# Altium PCB PCB1.PcbDoc
Units mil, origin at the board's own origin, x right, y up, seen from the top; angles counter-clockwise.
Board outline 3530 x 2610 mil, 2 copper layers (Top Layer, Bottom Layer); 18 components, 35 nets, 108 pads, 0 vias.
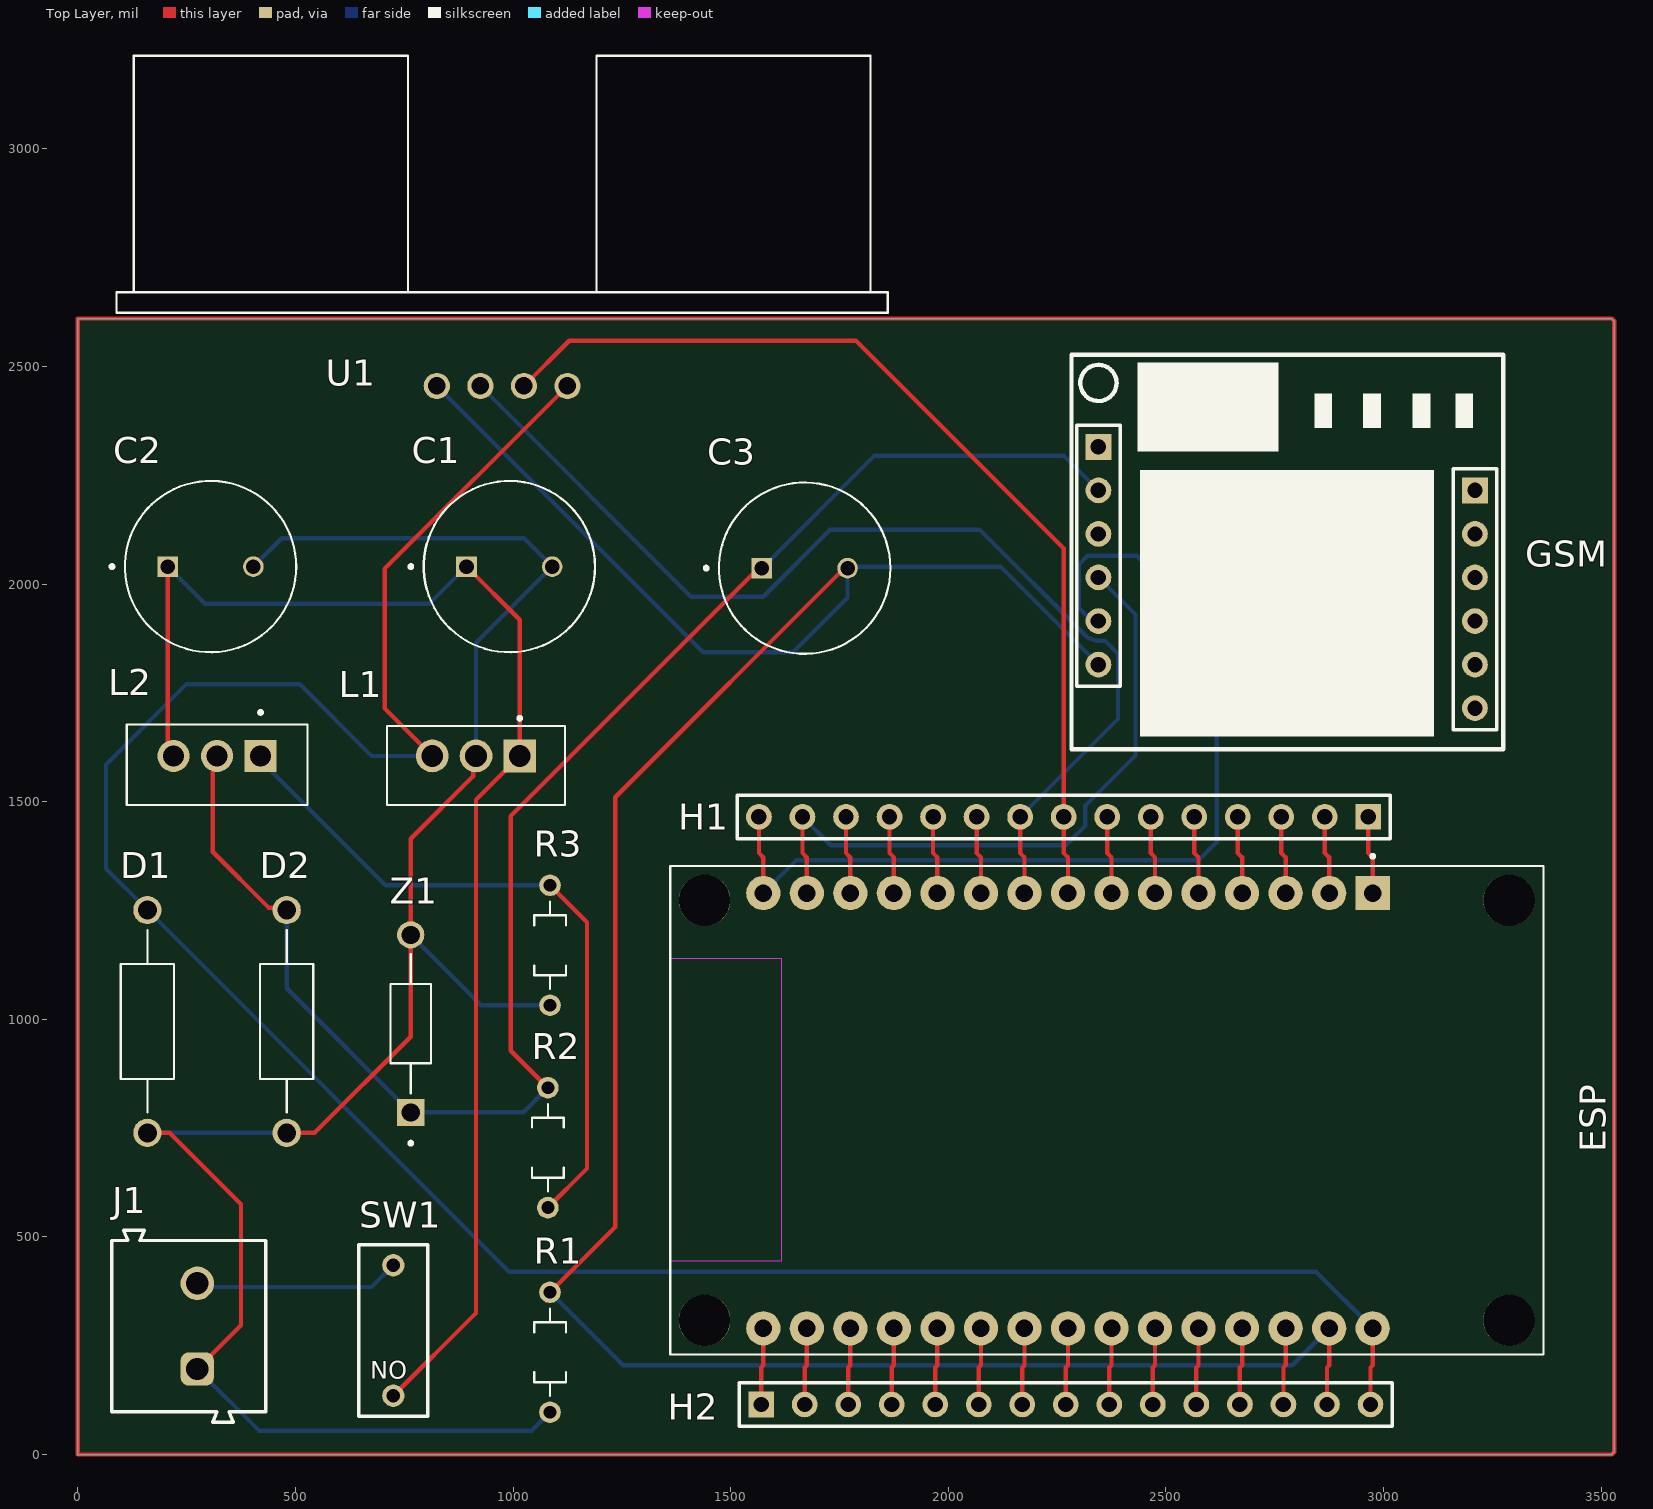
[diagram p0: Top Layer view]
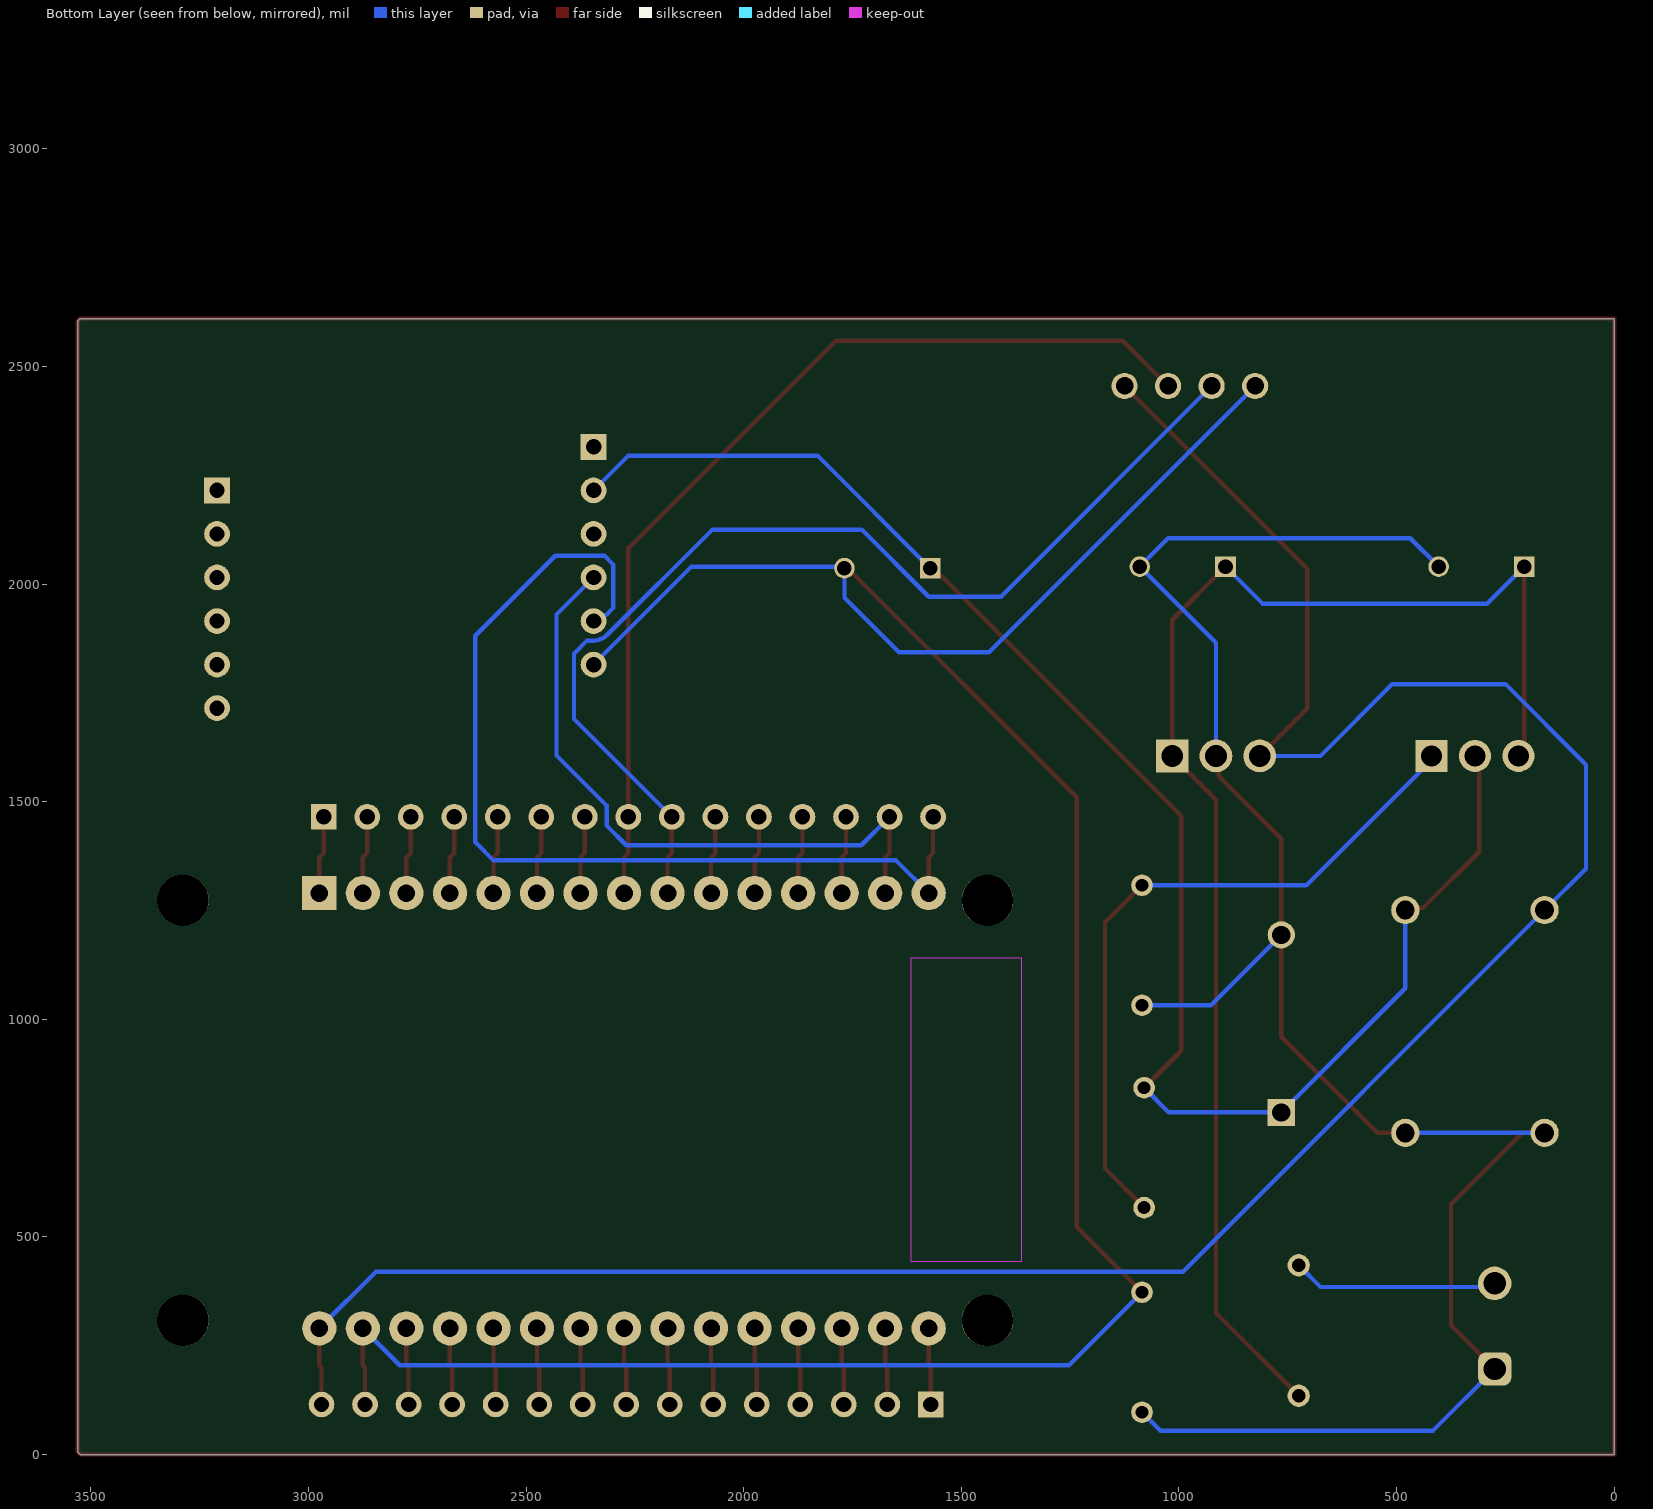
[diagram p1: Bottom Layer view, seen from below]
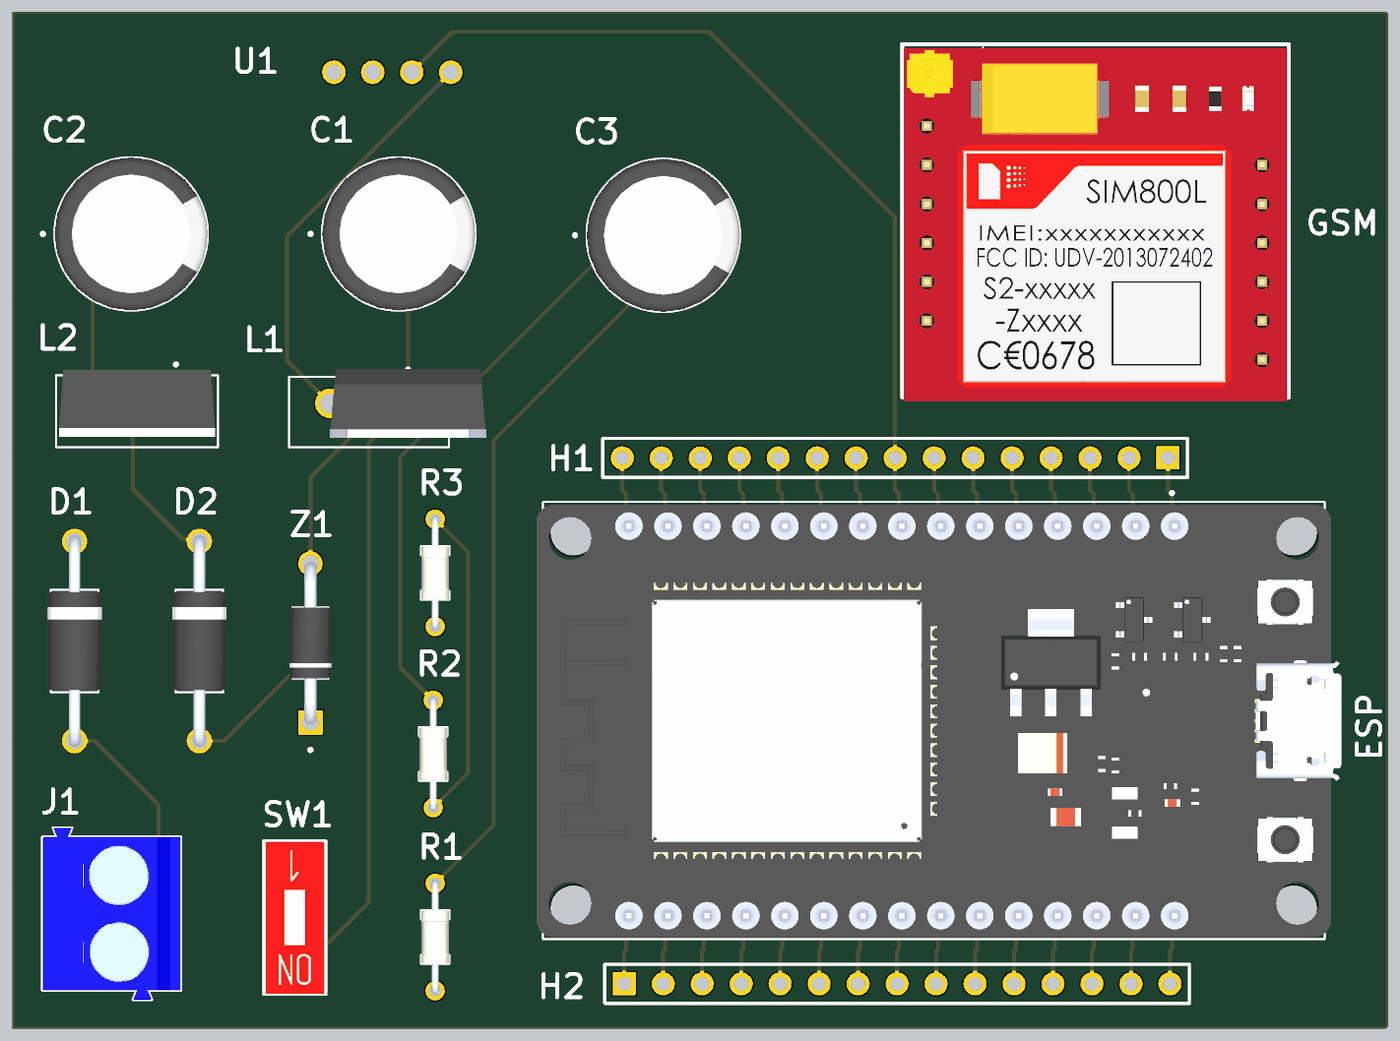
[diagram p2: 3D render of the assembled board from above, using the file's embedded part models]

## Layer stack, top to bottom
Top Solder: solder mask 0.4, Solder Resist, Dk 3.5
Top Layer: signal copper 1.4
Dielectric 1: dielectric 12.6, FR-4, Dk 4.8
Bottom Layer: signal copper 1.4
Bottom Solder: solder mask 0.4, Solder Resist, Dk 3.5

## Board outline
0,0 3524.14,0 3530,5.86 3530,2604.14 3524.14,2610 0,2610

## Design rules (kind name [scope] priority, off if disabled: settings)
Clearance [All] p1: gap=10 ignorepadtopadclearanceinfootprint=FALSE
PolygonConnect [All] p1: connectstyle=Relief reliefconductorwidth=10 reliefentries=4 polygonreliefangle="90 Angle" airgapwidth=10
RoutingVias [All] p1: holewidth=28 width=50 viastyle="Through Hole" minholewidth=28 minwidth=50 maxholewidth=28 maxwidth=50
SolderMaskExpansion [All] p1: expansion=4 istentingtop=FALSE
SupplyNets "Schematic Supply Nets_1" [InNet('GND')] p1: voltage=0.000
SupplyNets "Schematic Supply Nets" [InNet('DGND')] p2: voltage=0.000
Width [All] p1: maxlimit=10 minlimit=10 preferedwidth=10
30 further rules are at their usual default settings.

## Components (designator, comment, footprint, x,y, rotation, side; value= is the part's Value field where it differs from the comment)
C1 "1000u" CAPPRD500W60D1000H2000 991.57,2040 r0 top
C2 "1000u" CAPPRD500W60D1000H2000 305,2040 r0 top
C3 "1200u" CAPPRD500W60D1000H2000 1670.14,2036.44 r0 top
D1 "P6KE6.8CA" DIOAD1300W80L670D310 160,995 r90 top
D2 "P6KE6.8CA" DIOAD1300W80L670D310 480,995 r90 top
ESP "ESP32-DEVKIT-V1" MODULE_ESP32_DEVKIT_V1 2364.17,790 r270 top
GSM "Sim800L" Sim800L 2282,2516 r0 top
H1 "Header 15" HDR1X15 2965,1465 r180 top
H2 "Header 15" HDR1X15 1570,115 r0 top
J1 "691101710002" 691101710002 255,295 r90 top
L1 "L7805CV" TO255P1040X460X1968-3 1015.39,1605 r180 top
L2 "LM317T" TO254P1054X470X1955-3 320,1605 r180 top
R1 "1K" RESAD700W45L350D185 1085,235 r90 top
R2 "240" RESAD700W45L350D185 1080,705 r90 top
R3 "600" RESAD700W45L350D185 1085,1170 r90 top
SW1 "418117170901" 418117170901 725,285 r180 top
U1 "HC-SR04" XCVR_HC-SR04 975,2455 r180 top
Z1 "BV=4.3" DIOAD1036W78L463D272 765,990 r90 top

## Footprints (in the part's own frame and the unit in brackets; to place one, negate y for a bottom-side part, rotate by r counter-clockwise, add the part's x,y. Pads: shape width x height; smd on the part's side, far side on the other; paste and mask are expansions set on the pad)
418117170901 [mm] "2.54 mm compact THT with flat actuator, 1p"
  round 1.3 hole 0.8: 1(0,-3.81) 2(0,3.81)
  silkscreen extent -2.02,-5 2.02,5, body extent -1.92,-4.95 1.92,4.95, height 5.75
691101710002 [mm] "5,00mm - modular - blue - Horizontal entry with pressure clamp - 12,6mm height - 02p"
  rrect50% 1.95x1.95 hole 1.3: 1(-2.5,-0.5)
  round 1.95 hole 1.3: 2(2.5,-0.5)
  silkscreen extent -5.6,-4.5 5.6,4.5, body extent -5.6,-4.5 5.6,4.5, height 12.65
CAPPRD500W60D1000H2000 [mm]
  round 1.2 hole 0.85: N(2.5,0)
  rect 1.2x1.2 hole 0.85: P(-2.5,0)
  silkscreen extent -5.85,-5 5,5, body extent -5,-5 5,5, height 20
DIOAD1036W78L463D272 [mm]
  rect 1.59x1.59 / inner round 1.59 / far side rect 1.59x1.59 hole 1.06: 1(-5.18,0)
  round 1.59 hole 1.06: 2(5.18,0)
  silkscreen extent -7.07,-1.19 4.07,1.19, body extent -5.29,-1.36 5.29,1.36, height 2.72
DIOAD1300W80L670D310 [mm]
  round 1.65 hole 1.1 mask+0.05: 1(-6.5,0) 2(6.5,0)
  silkscreen extent -5.32,-1.55 5.32,1.55, body extent -6.88,-1.77 6.88,1.77, height 3.53
HDR1X15 [mm] "Connector; Header; 15 Position"
  rect 1.5x1.5 hole 0.9: 1(0,0)
  round 1.5 hole 0.9: 2(2.54,0) 3(5.08,0) 4(7.62,0) 5(10.16,0) 6(12.7,0) 7(15.24,0) 8(17.78,0) 9(20.32,0) 10(22.86,0) 11(25.4,0) 12(27.94,0) 13(30.48,0) 14(33.02,0) 15(35.56,0)
  silkscreen extent -1.27,-1.27 36.83,1.27
MODULE_ESP32_DEVKIT_V1 [mm]
  rect 2x2 / inner round 2 / far side rect 2x2 hole 1.02: 1(-12.7,15.515)
  round 2 hole 1.02: 2(-12.7,12.975) 3(-12.7,10.435) 4(-12.7,7.895) 5(-12.7,5.355) 6(-12.7,2.815) 7(-12.7,0.275) 8(-12.7,-2.265) 9(-12.7,-4.805) 10(-12.7,-7.345) 11(-12.7,-9.885) 12(-12.7,-12.425) 13(-12.7,-14.965) 14(-12.7,-17.505) 15(-12.7,-20.045) 16(12.7,-20.045) 17(12.7,-17.505) 18(12.7,-14.965) 19(12.7,-12.425) 20(12.7,-9.885) 21(12.7,-7.345) 22(12.7,-4.805) 23(12.7,-2.265) 24(12.7,0.275) 25(12.7,2.815) 26(12.7,5.355) 27(12.7,7.895) 28(12.7,10.435) 29(12.7,12.975) 30(12.7,15.515)
  round 3 hole 3 unplated: ""(-12.28,23.475) ""(-12.28,-23.475) ""(12.23,23.475) ""(12.23,-23.475)
  Keep-Out Layer region: 8.78,-25.475 -8.91,-25.475 -8.91,-18.985 8.78,-18.985
  Keep-Out Layer region: 8.78,-25.475 -8.91,-25.475 -8.91,-18.985 8.78,-18.985
  silkscreen extent -14.95,-25.47 14.23,25.47, body extent -14.1,-25.9 14.1,26.55, height 7.05
RESAD700W45L350D185 [mm]
  round 1.258 hole 0.75: 1(-3.5,0) 2(3.5,0)
  silkscreen extent -2.55,-0.93 2.55,0.93, body extent -3.72,-0.92 3.72,0.92, height 1.84
Sim800L [mm]
  rect 1.5x1.5 hole 0.9: 1(1.6,-5.105) 7(23.571,-7.645)
  round 1.5 hole 0.9: 2(1.6,-7.645) 3(1.6,-10.185) 4(1.6,-12.725) 5(1.6,-15.265) 6(1.6,-17.805) 8(23.571,-10.185) 9(23.571,-12.725) 10(23.571,-15.265) 11(23.571,-17.805) 12(23.571,-20.345)
  silkscreen extent 0.03,-22.76 25.22,0.28, body extent 0.12,-23 25.12,0.14, height 10.1
TO254P1054X470X1955-3 [mm]
  rect 1.86x1.86 / inner round 1.86 / far side rect 1.86x1.86 hole 1.24: 1(-2.54,0)
  round 1.86 hole 1.24: 2(0,0) 3(2.54,0)
  silkscreen extent -5.27,-2.64 5.27,2.86, body extent -5.08,-2.17 5.08,2.18, height 20.4
TO255P1040X460X1968-3 [mm]
  rect 1.91x1.91 / inner round 1.91 / far side rect 1.91x1.91 hole 1.27: 1(0,0)
  round 1.91 hole 1.27: 2(2.55,0) 3(5.1,0)
  silkscreen extent -2.65,-2.29 7.75,2.86, body extent -5.1,-2.25 5.1,2.25, height 19.68
XCVR_HC-SR04 [mm]
  round 1.53 hole 1.02: 1(-3.81,0) 2(-1.27,0) 3(1.27,0) 4(3.81,0)
  silkscreen extent -22.5,-19.27 22.5,-4.27

## Part data
C1 C2 C3: library part EEUFR1E102, "1000F 25V Aluminum Electrolytic Capacitors Radial, Can 10000 Hrs @ 105C", Package="RADIAL-2 Panasonic", Availability="In Stock", Check_prices=https://www.snapeda.com/parts/EEU-FR1E102/Panasonic/view-part/630528/?ref=eda, MF=Panasonic, MP=EEU-FR1E102, Price=None, Purchase-URL=https://pricing.snapeda.com/search/part/EEU-FR1E102/?ref=eda, SnapEDA_Link=https://www.snapeda.com/parts/EEU-FR1E102/Panasonic/view-part/630528/?ref=snap
D1 D2: "600W, 6.8V, 5%, Bidirectional, TVS", Package="DO-15 Taiwan Semiconductor", Check_prices=https://www.snapeda.com/parts/P6KE6.8CA/Taiwan+Semiconductor/view-part/?ref=eda, MF="Taiwan Semiconductor", MP=P6KE6.8CA, SnapEDA_Link=https://www.snapeda.com/parts/P6KE6.8CA/Taiwan+Semiconductor/view-part/?ref=snap
ESP: "Dual core, Wi-Fi: 2.4 GHz up to 150 Mbits/s,BLE (Bluetooth Low Energy) and legacy Bluetooth, 32 bits, Up to 240 MHz", Package=None, Check_prices=https://www.snapeda.com/parts/ESP32-DEVKIT-V1/Do+it/view-part/?ref=eda, MF="Do it", MP=ESP32-DEVKIT-V1, SnapEDA_Link=https://www.snapeda.com/parts/ESP32-DEVKIT-V1/Do+it/view-part/?ref=snap
H1 H2: "Header, 15-Pin", LatestRevisionDate=17-Jul-2002, LatestRevisionNote="Re-released for DXP Platform.", Publisher="Altium Limited"
J1: "WR-TBL Series 101 Horizontal Entry Modular, THT, pitch 5mm, 2p", Manufacturer="Wurth Elektronik", Operating Temperature Max=105°C, Operating Temperature Min=-40°C, Rated Current=16A, Working Voltage=250V, Application="Pressure Clamp", Category="Terminal Blocks", ComponentLink1Description="Website Link", ComponentLink1URL=https://www.we-online.com/redexpert/article/691101710002?ad, ComponentLink2Description="Datasheet Link", ComponentLink2URL=https://www.we-online.com/redexpert/spec/691101710002?ad, Manufacturer Part Number=691101710002, Match Code=WR-TBL, Modularity=Yes, Mount="Through Hole", Number of Pins=2, Number of Rows=1, Orientation=Horizontal, Packaging=Box, Pitch=5mm
L1: "Linear Voltage Regulator IC Positive Fixed 1 Output 1.5A TO-220", Package="TO-220-3 STMicroelectronics", Check_prices=https://www.snapeda.com/parts/L7805CV/STMicroelectronics/view-part/?ref=eda, MF=STMicroelectronics, MP=L7805CV, SnapEDA_Link=https://www.snapeda.com/parts/L7805CV/STMicroelectronics/view-part/?ref=snap
L2: "Linear Voltage Regulator IC Positive Adjustable 1 Output 1.5A TO-220AB", Package="TO-220-3 ON", Check_prices=https://www.snapeda.com/parts/LM317T/Onsemi/view-part/?ref=eda, MF=onsemi, MP=LM317T, SnapEDA_Link=https://www.snapeda.com/parts/LM317T/Onsemi/view-part/?ref=snap
R1 R2 R3: library part 3-1623927-1, "1 MOhms Â±5% 0.25W, 1/4W Through Hole Resistor Axial - Carbon Film", Package=None, Check_prices=https://www.snapeda.com/parts/3-1623927-1/TE+Connectivity/view-part/?ref=eda, MF="TE Connectivity", MP=3-1623927-1, SnapEDA_Link=https://www.snapeda.com/parts/3-1623927-1/TE+Connectivity/view-part/?ref=snap
SW1: "WS-DITV Compact THT Dip Switch, Flat Actuator, pitch 2.54mm, 1p", Manufacturer="Wurth Elektronik", Operating Temperature Max=85°C, Operating Temperature Min=-40°C, Rated Current Non-Switching=100mA, Rated Current Switching=25mA, Rated Voltage Non-Switching=50VDC, Rated Voltage Switching=24VDC, Actuator Type="Flat Type", Category="Dip Switches", ComponentLink1Description="Website Link", ComponentLink1URL=https://www.we-online.com/redexpert/article/418117170901?ad, ComponentLink2Description="Datasheet Link", ComponentLink2URL=https://www.we-online.com/redexpert/spec/418117170901?ad, Contact Material="Copper Alloy", Contact Plating=Gold, Manufacturer Part Number=418117170901, Match Code=WS-DITV, Mount="Through Hole", Number of Poles=1, Operation Force=800g, Packaging=Tube, Pitch=2.54mm
U1: "Ultrasonic Sensor Module", Package=None, Availability=Unavailable, MP=HC-SR04, Price=None
Z1: library part 1N4742A, "Zener Diode 12 V 1 W Â±5% Through Hole DO-41", Package="DO-41 ON Semiconductor", Check_prices=https://www.snapeda.com/parts/1N4742A/Onsemi/view-part/?ref=eda, MF=ON, MP=1N4742A, SnapEDA_Link=https://www.snapeda.com/parts/1N4742A/Onsemi/view-part/?ref=snap

## Nets (pads, with @x,y where several pads share a name; then routed paths per layer and width w, separated by ;. In a path a pad name is that pad's centre, name@x,y a point inside that pad or via, vN(x,y) a via of type N, cw(c..) or ccw(c..) an arc to the next point about the centre after c; other vN are vias at no path point)
3V3: ESP.1 H1.1 | length 179.1
  Top Layer w10: H1.1 2965,1382 2975,1372 ESP.1
+4.2V: C3.P D2.2 GSM.2 L2.2 R2.2 Z1.1 | length 3750.3
  Top Layer w10: L2.2@310,1605 310,1385 438.47,1256.53 474.38,1256.53 D2.2 ; R2.2 995,927.8 995,1466.85 C3.P@1568.15,2040
  Bottom Layer w10: D2.2 480,1071.06 Z1.1 1023.27,786.06 R2.2 ; C3.P 1830.28,2295 2265,2295 GSM.2
+5V: D1.2 ESP.30 H2.15 L1.3 U1.1 | length 5727.5
  Top Layer w10: L1.3 705,1714.61 705,2035 U1.1 ; H2.15 2970,200 2975,205 ESP.30
  Bottom Layer w10: L1.3 675,1605 510,1770 250,1770 65,1585 65,1345.91 D1.2 990.91,420 2845,420 ESP.30
D1GND: ESP.2 H1.2 | length 179.1
  Top Layer w10: H1.2 2865,1382 2875,1372 ESP.2
D2: ESP.4 H1.4 | length 179.1
  Top Layer w10: H1.4 2665,1382 2675,1372 ESP.4
D4: ESP.5 H1.5 | length 179.1
  Top Layer w10: H1.5 2565,1382 2575,1372 ESP.5
D5: ESP.8 H1.8 U1.2 | length 2276.8
  Top Layer w10: U1.2 1129,2559 1788,2559 2265,2082 H1.8 2265,1382 2275,1372 ESP.8
D12: ESP.27 H2.12 | length 177.1
  Top Layer w10: H2.12 2670,200 2675,205 ESP.27
D13: ESP.28 H2.13 | length 177.1
  Top Layer w10: H2.13 2770,200 2775,205 ESP.28
D14: ESP.26 H2.11 | length 177.1
  Top Layer w10: H2.11 2570,200 2575,205 ESP.26
D15: ESP.3 H1.3 | length 179.1
  Top Layer w10: H1.3 2765,1382 2775,1372 ESP.3
D18: ESP.9 H1.9 U1.3 | length 2492.7
  Top Layer w10: H1.9 2165,1382 2175,1372 ESP.9
  Bottom Layer w10: U1.3 1409,1971 1574.73,1971 1728.73,2125 2071.99,2125 2313.52,1883.47 ccw(c2346.29,1916.24) 2343.2,1870 2360,1870 2390,1840 2390,1690 H1.9
D19: ESP.10 H1.10 | length 179.1
  Top Layer w10: H1.10 2065,1382 2075,1372 ESP.10
D21: ESP.11 H1.11 | length 179.1
  Top Layer w10: H1.11 1965,1382 1975,1372 ESP.11
D22: ESP.14 GSM.4 H1.14 | length 1527.5
  Top Layer w10: H1.14 1665,1382 1675,1372 ESP.14
  Bottom Layer w10: H1.14 1730,1400 2270,1400 2315,1445 2315,1491 2430,1606 2430,1930 GSM.4
D23: ESP.15 GSM.5 H1.15 | length 2302.5
  Top Layer w10: H1.15 1565,1382 1575,1372 ESP.15
  Bottom Layer w10: ESP.15 1650,1365 2575,1365 2617,1407 2617,1881 2433,2065 2320,2065 2300,2045 2300,1945 2316.01,1928.99 2317.74,1928.99 2331.73,1915 GSM.5
D25: ESP.23 H2.8 | length 177.1
  Top Layer w10: H2.8 2270,200 2275,205 ESP.23
D26: ESP.24 H2.9 | length 177.1
  Top Layer w10: H2.9 2370,200 2375,205 ESP.24
D27: ESP.25 H2.10 | length 177.1
  Top Layer w10: H2.10 2470,200 2475,205 ESP.25
D32: ESP.21 H2.6 | length 177.1
  Top Layer w10: H2.6 2070,200 2075,205 ESP.21
D33: ESP.22 H2.7 | length 177.1
  Top Layer w10: H2.7 2170,200 2175,205 ESP.22
D34: ESP.19 H2.4 | length 177.1
  Top Layer w10: H2.4 1870,200 1875,205 ESP.19
D35: ESP.20 H2.5 | length 177.1
  Top Layer w10: H2.5 1970,200 1975,205 ESP.20
DGND: C3.N ESP.29 GSM.6 H2.14 R1.2 U1.4 | length 6007
  Top Layer w10: R1.2 1235,522.8 1235,1510 C3.N@1765,2040 ; H2.14 2870,200 2875,205 ESP.29
  Bottom Layer w10: U1.4 1436.7,1843.3 1643.3,1843.3 1768.56,1968.56 C3.N ; R1.2 1252.8,205 2790,205 ESP.29 ; C3.N@1768.56,2040 2120,2040 GSM.6
EN: ESP.16 H2.1 | length 177.1
  Top Layer w10: H2.1 1570,200 1575,205 ESP.16
GND: C1.N C2.N D1.1 D2.1 J1.1 L1.2 R1.1 R3.1 Z1.2 | length 4627.9
  Top Layer w10: D1.1 210.91,739.09 375,575 375,296.88 J1.1 ; D2.1 544.09,739.09 765,960 Z1.2 765,1415 908.26,1558.26 908.26,1598.26 L1.2
  Bottom Layer w10: D1.1 D2.1 ; J1.1 416.25,55 1042.8,55 R1.1 ; C2.N 468.43,2105 1025,2105 C1.N 915,1865 L1.2 ; Z1.2 926.73,1032.2 R3.1
NetJ1_2: J1.2 SW1.1 | length 474.5
  Bottom Layer w10: J1.2 283.1,385 675,385 SW1.1
NetL2_1: L2.1 R2.1 R3.2 | length 1611.2
  Top Layer w10: R2.1 1170,657.2 1170,1222.8 R3.2
  Bottom Layer w10: L2.1@410,1605 707.2,1307.8 R3.2
RX0: ESP.12 H1.12 | length 179.1
  Top Layer w10: H1.12 1865,1382 1875,1372 ESP.12
RX2: ESP.6 H1.6 | length 179.1
  Top Layer w10: H1.6 2465,1382 2475,1372 ESP.6
TX0: ESP.13 H1.13 | length 179.1
  Top Layer w10: H1.13 1765,1382 1775,1372 ESP.13
TX2: ESP.7 H1.7 | length 179.1
  Top Layer w10: H1.7 2365,1382 2375,1372 ESP.7
VIN: C1.P C2.P L1.1 L2.3 SW1.2 | length 3269.3
  Top Layer w10: C2.P 206.57,1608.43 L2.3@210,1605 ; SW1.2 915,325 915,1504.61 L1.1 1015.39,1917.76 C1.P
  Bottom Layer w10: C2.P 291.57,1955 808.15,1955 C1.P
VN: ESP.18 H2.3 | length 177.1
  Top Layer w10: H2.3 1770,200 1775,205 ESP.18
VP: ESP.17 H2.2 | length 177.1
  Top Layer w10: H2.2 1670,200 1675,205 ESP.17
pads on no net: ESP. GSM.1 GSM.3 GSM.7 GSM.8 GSM.9 GSM.10 GSM.11 GSM.12
copper on no net: | length 12273.1
  Top Layer w10: 0,0 3524.14,0 3530,5.86 3530,2604.14 3524.14,2610 0,2610 0,0

## Text inside footprints (layer, text, board x,y; h text height)
SW1: Top Overlay "ON" at 756.5,214.13 h40 r180; Top Component Outline "ON" at 756.5,214.13 h40 r180; Top Component Outline "1" at 734.06,395.24 h40 r180